# Altium PCB BrewController.PcbDoc
Units mm, origin at the board's own origin, x right, y up, seen from the top; angles counter-clockwise.
Board outline 60 x 99 mm, 2 copper layers (Top Layer, Bottom Layer); 46 components, 36 nets, 189 pads, 33 vias.
Unrouted connection lines stored in the file: 12.
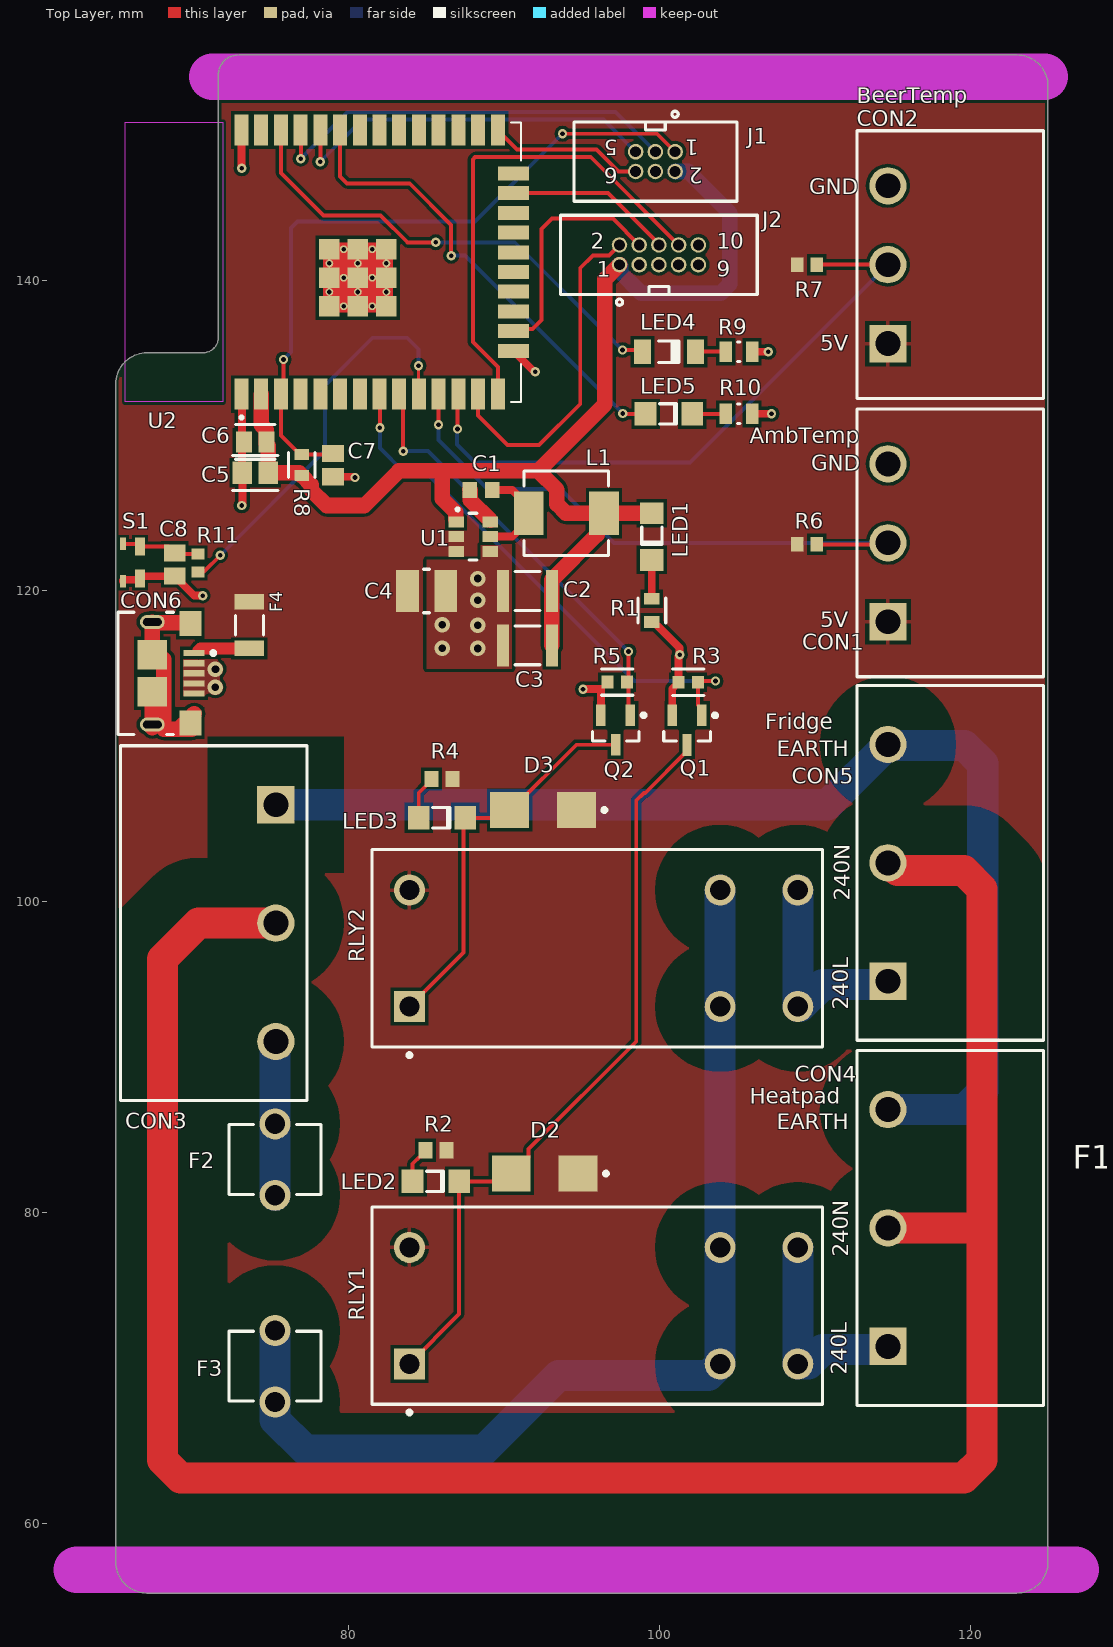
[diagram p0: Top Layer view]
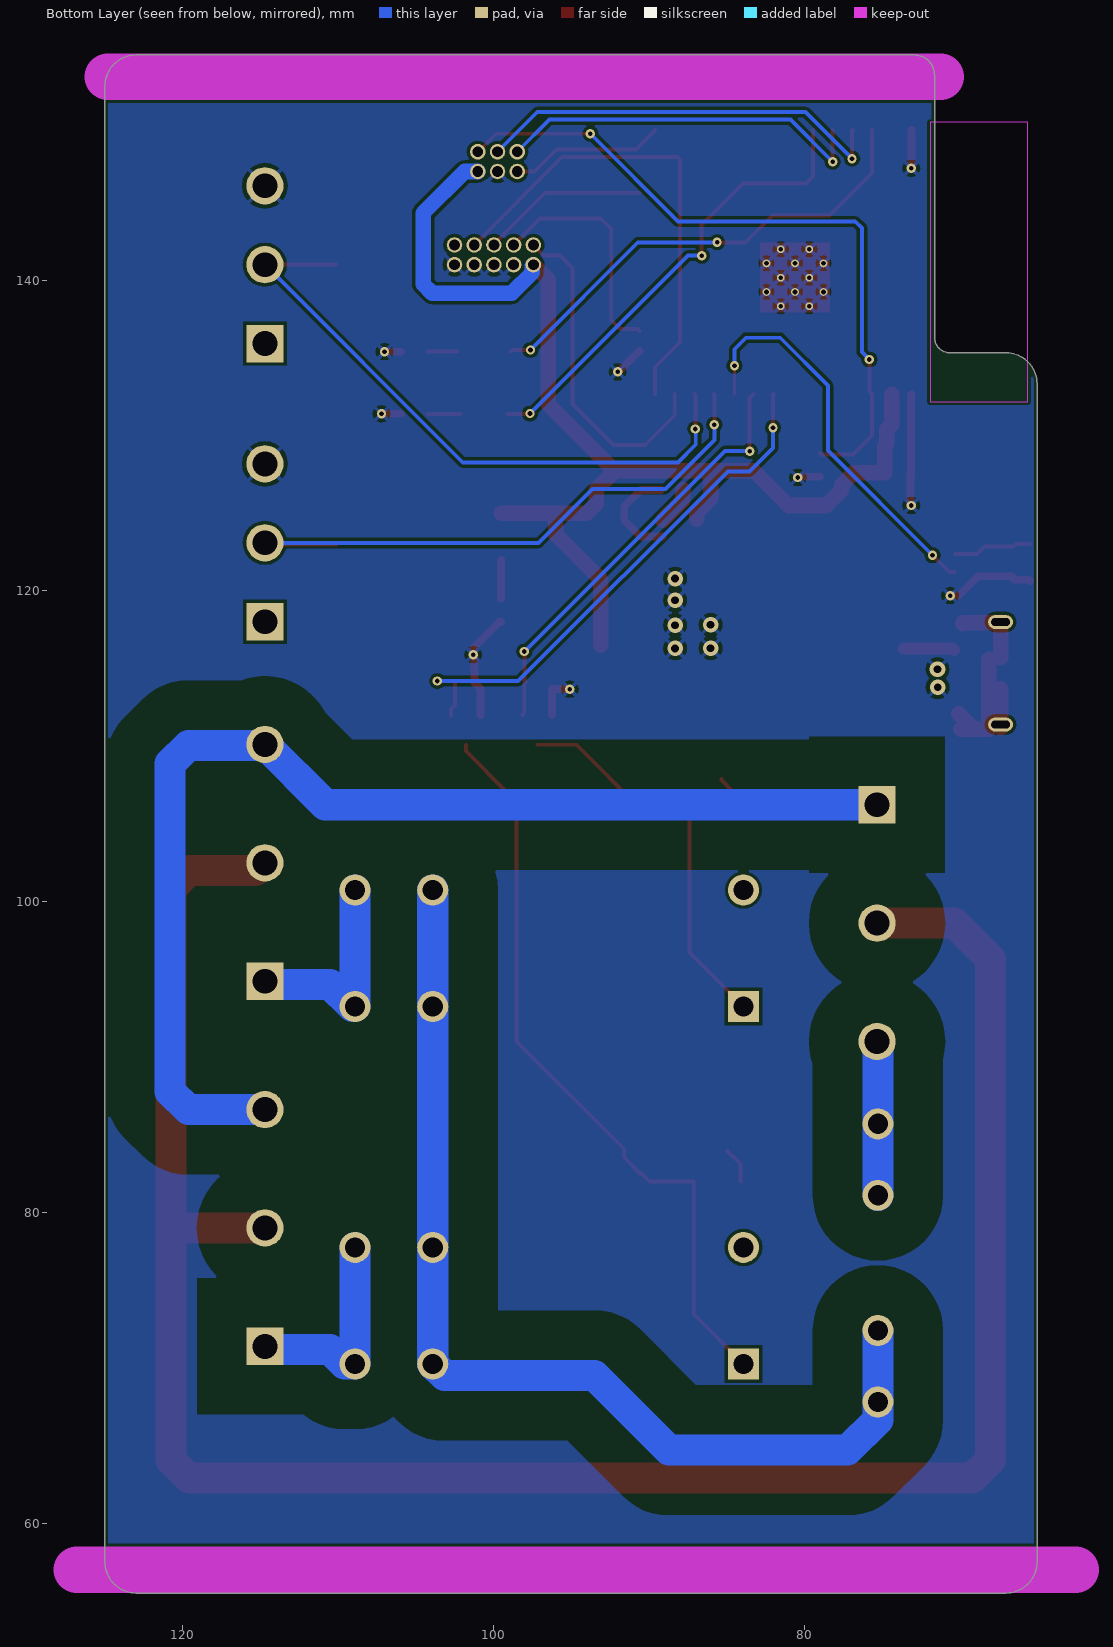
[diagram p1: Bottom Layer view, seen from below]
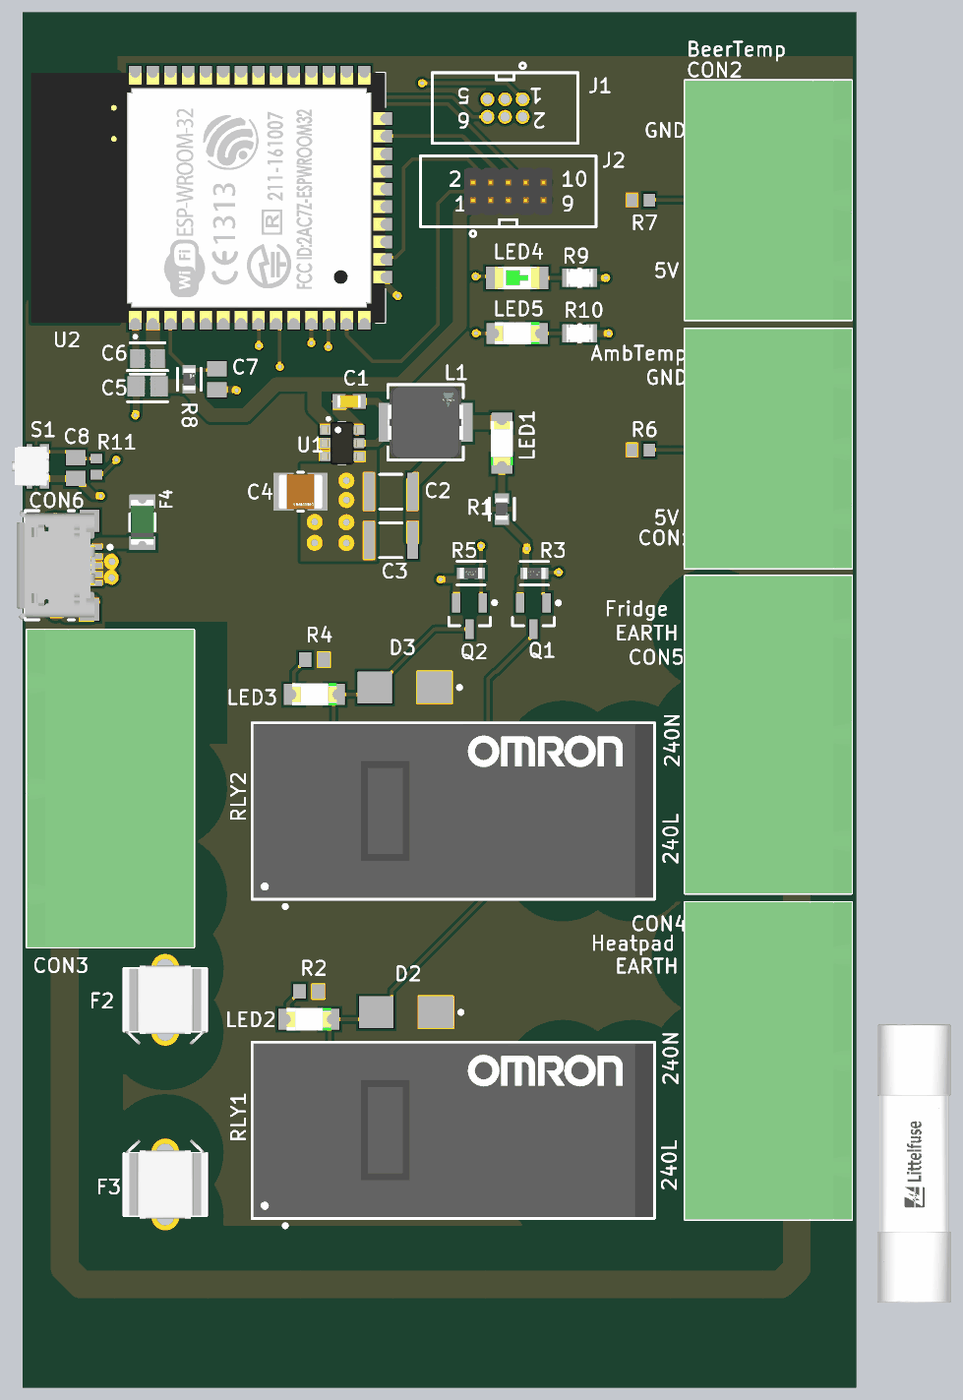
[diagram p2: 3D render of the assembled board from above, using the file's embedded part models]

## Layer stack, top to bottom
Top Solder: solder mask 0.0102, Solder Resist, Dk 3.5
Top Layer: signal copper 0.0356
Dielectric 1: dielectric 0.32, FR-4, Dk 4.8
Bottom Layer: signal copper 0.0356
Bottom Solder: solder mask 0.0102, Solder Resist, Dk 3.5

## Board outline
65,57.5 65,133.327 cw(c67,133.327) 67,135.327 70.6,135.327 ccw(c70.6,136.327) 71.6,136.327 71.6,136.318 71.6,153.2 cw(c72.9,153.2) 72.9,154.5 123,154.5 cw(c123,152.5) 125,152.5 125,57.5 cw(c123,57.5) 123,55.5 67,55.5 cw(c67,57.5)

## Design rules (kind name [scope] priority, off if disabled: settings)
BoardOutlineClearance [All] p1: gap=0.2 ignorepadtopadclearanceinfootprint=FALSE
Clearance 240V-DC_Clearance [InNetClass('240V') vs Not InNetClass('240V')] p1: gap=3.2 ignorepadtopadclearanceinfootprint=FALSE
Clearance 240V-240V_Clearance [InNetClass('240V')] p2: gap=2 ignorepadtopadclearanceinfootprint=FALSE
Clearance [All] p3: gap=0.203 ignorepadtopadclearanceinfootprint=FALSE except(0: Arc-Hole Track-Hole SMDPad-Hole THPad-Hole Via-Hole Fill-Hole Poly-Hole Region-Hole Text-Hole)
ComponentClearance [All] p1: gap=0.127 collisioncheckmode=3 verticalgap=0.127 showdistances=TRUE
DiffPairsRouting [All] p1: maxlimit=0.381 minlimit=0.203 mostfreqgap=0.203 toplayer_minwidth=0.203 toplayer_maxwidth=25.4 toplayer_prefwidth=0.203 bottomlayer_minwidth=0.203 bottomlayer_maxwidth=25.4 bottomlayer_prefwidth=0.203 maxuncoupledlength=12.7
Height [All] p1: minheight=0 maxheight=1816.048 prefheight=12.7
HoleSize [All] p1: absolutevalues=TRUE maxlimit=6.3 minlimit=0.3 maxpercent=80.000 minpercent=20.000
HoleToHoleClearance [All] p1: gap=0.25 allowstackedmicrovias=FALSE
MinimumAnnularRing [All] p1: minimumring=0.076
MinimumSolderMaskSliver [All] p1: minsoldermaskwidth=0
PlaneClearance [All] p1: clearance=0.203
PlaneConnect PlaneConnectPowerPads [InPadClass('PowerPads')] p1: planeconnectstyle=Direct reliefexpansion=0.508 reliefentries=4 reliefconductorwidth=0.254 reliefairgap=0.254
PlaneConnect [All] p2: planeconnectstyle=Relief reliefexpansion=0.508 reliefentries=4 reliefconductorwidth=0.254 reliefairgap=0.254
PolygonConnect USB_5VIN_Poly [All vs IsNamedPolygon('NETCON6_1_L01_P008')] p1: connectstyle=Direct reliefconductorwidth=0.254 reliefentries=4 polygonreliefangle="90 Angle" airgapwidth=0.254
PolygonConnect PolygonConnect_1 [All vs IsNamedPolygon('GND_L01_P001')] p2: connectstyle=Direct reliefconductorwidth=0.254 reliefentries=4 polygonreliefangle="90 Angle" airgapwidth=0.254
PolygonConnect PolygonConnect_2 [All vs IsNamedPolygon('NETCON6_1_L01_P005')] p3: connectstyle=Direct reliefconductorwidth=0.254 reliefentries=4 polygonreliefangle="90 Angle" airgapwidth=0.254
PolygonConnect PolygonConnect_3 [All vs IsNamedPolygon('GND_L01_P006')] p4: connectstyle=Direct reliefconductorwidth=0.254 reliefentries=4 polygonreliefangle="90 Angle" airgapwidth=0.254
PolygonConnect PolygonConnect_4 [All vs IsNamedPolygon('Top Layer-No Net')] p5: thpad.connectstyle=Relief thpad.reliefconductorwidth=0.254 thpad.reliefentries=4 thpad.polygonreliefangle="90 Angle" thpad.airgapwidth=0.254 smdpad.connectstyle=Direct smdpad.reliefconductorwidth=0.254 smdpad.reliefentries=4 smdpad.polygonreliefangle="90 Angle" smdpad.airgapwidth=0.254 via.connectstyle=Relief via.reliefconductorwidth=0.254 via.reliefentries=4 via.polygonreliefangle="90 Angle" via.airgapwidth=0.254
PolygonConnect ConnectRule [All vs IsNamedPolygon('Top Layer_5V')] p6: connectstyle=Relief reliefconductorwidth=0.254 reliefentries=4 polygonreliefangle="90 Angle" airgapwidth=0.254
PolygonConnect PolygonConnectPowerPads [All vs (InPadClass('PowerPads'))] p7: connectstyle=Direct reliefconductorwidth=0.254 reliefentries=4 polygonreliefangle="90 Angle" airgapwidth=0.254
PolygonConnect [All] p8: connectstyle=Relief reliefconductorwidth=0.254 reliefentries=4 polygonreliefangle="45 Angle" airgapwidth=0.254
RoutingVias [All] p1: holewidth=0.3 width=0.6 viastyle="Through Hole" minholewidth=0.3 minwidth=0.6 maxholewidth=0.6 maxwidth=6.6
SilkToSilkClearance [All] p1: silktosilkclearance=0
SilkToSolderMaskClearance [IsPad] p1: minsilkscreentomaskgap=0.127 clearancetoexposedcopper=TRUE
SolderMaskExpansion [All] p1: expansion=0.075 istentingtop=FALSE
Width [All] p1: maxlimit=25.4 minlimit=0.203 preferedwidth=0.203 minimp=50.000000 maximp=50.000000 favimp=50.000000
20 further rules are at their usual default settings.

## Classes and differential pairs
net class 240V: 240V_E 240V_L 240V_N NetCON3_3 NetCON4_1 NetCON5_1
net class C4_Nets: +5V GND
net class C5_Nets: +3V3 GND
net class C7_Nets: EN GND
net class C6_Nets: +3V3 GND
net class CON3_Nets: 240V_E 240V_N NetCON3_3
net class CON2_Nets: +5V GND NetCON2_2
net class CON4_Nets: 240V_E 240V_N NetCON4_1
net class CON5_Nets: 240V_E 240V_N NetCON5_1
net class D2_Nets: +5V NetD2_2
net class D3_Nets: +5V NetD3_2
net class J2_Nets: +3V3 GND NetJ1_10 TCK TDI TDO TMS
net class J1_Nets: +3V3 EN GND IO0 RXD0 TXD0
net class RLY1_Nets: 240V_L +5V NetCON4_1 NetD2_2
net class RLY2_Nets: 240V_L +5V NetCON5_1 NetD3_2
net class L1_Nets: +3V3 NetC1_1
net class LED1_Nets: +3V3 NetLED1_1
net class Q1_Nets: GND NetD2_2 NetQ1_1
net class Q2_Nets: GND NetD3_2 NetQ2_1
net class R1_Nets: GND NetLED1_1
net class R3_Nets: GND NetQ1_1
net class R5_Nets: GND NetQ2_1
net class R9_Nets: GND NetLED4_1
net class R10_Nets: GND NetLED5_1
net class R8_Nets: +3V3 EN
net class S1_Nets: GND NetC8_2
net class U1_Nets: +3V3 +5V GND NetC1_1 NetC1_2
net class U2_Nets: +3V3 EN FACTORY_RST GND IO0 LED_RED LED_YELLOW NetCON1_2 NetCON2_2 NetQ1_1 NetQ2_1 NetU3_4 NetU3_6 NetU3_7 NetU3_8 NetU3_9 NetU3_10 NetU3_11 NetU3_12 NetU3_17 NetU3_18 NetU3_19 NetU3_20 NetU3_21 NetU3_22 NetU3_27 NetU3_28 NetU3_30 NetU3_31 NetU3_37 RXD0 TCK TDI TDO TMS TXD0
net class C3_Nets: +3V3 GND
net class CON1_Nets: +5V GND NetCON1_2
net class F2_Nets: NetCON3_3
net class F3_Nets: 240V_L
net class LED2_Nets: NetD2_2 NetLED2_2
net class LED3_Nets: NetD3_2 NetLED3_2
net class LED4_Nets: LED_YELLOW NetLED4_1
net class LED5_Nets: LED_RED NetLED5_1
net class R6_Nets: +5V NetCON1_2
net class C1_Nets: NetC1_1 NetC1_2
net class C2_Nets: +3V3 GND
net class CON6_Nets: GND NetCON6_1 USB_SHLD
net class R2_Nets: +5V NetLED2_2
net class R4_Nets: +5V NetLED3_2
net class R7_Nets: +5V NetCON2_2
net class C8_Nets: GND NetC8_2
net class F4_Nets: +5V NetCON6_1
net class R11_Nets: FACTORY_RST NetC8_2
component class Designator: ENC1 PLG1 PLG2 SEN1 SEN2

## Components (designator, comment, footprint, x,y, rotation, side; value= is the part's Value field where it differs from the comment)
C1 "GRM188R71H104KA93D" CAPC1608X90X35ML10T15 88.5,126.5 r180 top
C2 "C3225X7R1C226M250AC" CAPC3225X280X20LL40 91.5,120 r0 top
C3 "C3225X7R1C226M250AC" CAPC3225X280X20LL40 91.5,116.5 r0 top
C4 "CL32B106KAJNNNE" FP-CL32-IPC_C 85,120 r0 top
C5 "CL21B104MBCNNNC" FP-CL21-IPC_B 73.975,127.6 r0 top
C6 "CL21A226MOCLRNC" FP-CL21-IPC_C 73.975,129.6 r0 top
C7 "Cap 0.1uF/50V 0805 X7R (CL21B104MBCNNNC)" C0805 78.975,128.1 r270 top
C8 "Cap 0.1uF/50V 0805 X7R (CL21B104MBCNNNC)" C0805 68.8,121.7 r90 top
CON1 "AmbTemp" 691313510003 118.7,123.1 r90 top
CON2 "BeerTemp" 691313510003 118.7,141 r90 top
CON3 "691313410003" 691313410003 71.3,98.62 r270 top
CON4 "Heatpad" 691313410003 118.7,79 r90 top
CON5 "Fridge" 691313410003 118.7,102.5 r90 top
CON6 "10118193-0001LF" FCI-10118193-0001LF-5_V 68.7,114.7 r270 top
D2 "S1AB-13-F" DIOD-S1AB-13-F-2_V 92.6,82.5 r180 top
D3 "S1AB-13-F" DIOD-S1AB-13-F-2_V 92.5,105.9 r180 top
F1 "0218002.MXP" FP-0218002_MXP-MFG 129.2,71.6 r90 top value=0.0293Ω
F2 "01000020Z" FP-0100-MFG 75.25,83.4 r90 top
F3 "01000020Z" FP-0100-MFG 75.25,70.1 r270 top
F4 "0ZCJ0050FF2G" FP-0ZCJ0050FF2G-MFG 73.6,117.8 r90 top
J1 "6Pos 1.27mm Unkeyed (20021111-00006T4LF)" 6Pos_1.27_Keyed 99.73,147.635 r180 top
J2 "10Pos 1.27mm Keyed (3220-10-0100-00)" 10pos_1.27_Keyed 99.96,141.635 r0 top
L1 "IHLP2020BZER4R7M11" FP-IHLP-2020BZ-FP_1_905x2-MFG 94,125 r0 top
LED1 "150120VS75000" 1206_A 99.5,123.5 r90 top
LED2 "150120VS75000" 1206_A 85.6,82 r180 top
LED3 "150120VS75000" 1206_A 86,105.4 r180 top
LED4 "156120YS75300" "1206  CYLINDRICAL- Reverse Use" 100.6,135.4 r180 top
LED5 "150120SS75000" 1206_A 100.6,131.4 r180 top
Q1 "BSS138P,215" NXP-SOT23_N 101.771,111.043 r270 top
Q2 "BSS138P,215" NXP-SOT23_N 97.172,111.052 r270 top
R1 "CRCW0603220RFKEB" FP-CRCW0603-e3-MFG 99.5,118.75 r270 top
R2 "CRCW0603680RFKEA" RESC1609X50X30ML10T20 85.6,84 r0 top
R3 "CRGCQ0603J1M0" FP-CRGCQ0603-IPC_C 101.842,114.127 r180 top value=1MΩ
R4 "CRCW0603680RFKEA" RESC1609X50X30ML10T20 86,107.9 r0 top
R5 "CRGCQ0603J1M0" FP-CRGCQ0603-IPC_C 97.272,114.137 r180 top value=1MΩ
R6 "CRCW06034K70FKTA" RESC1609X50X30NL10T20 109.5,123 r0 top
R7 "CRCW06034K70FKTA" RESC1609X50X30NL10T20 109.5,141 r0 top
R8 "MCT06030E1002BP500" FP-MCT0603-MFG 76.975,128.1 r90 top
R9 "CRCW0805120RFKEA" FP-CRCW0805-e3-IPC_C 105.1,135.4 r180 top
R10 "CRCW0805120RFKEA" FP-CRCW0805-e3-IPC_C 105.1,131.4 r180 top
R11 "CRCW060310K0JNEB" RESC1609X50X30LL10T20 70.3,121.8 r90 top
RLY1 "G2RL-1A-E DC5" FP-G2RL-1A-E_DC12-MFG 96,74 r0 top
RLY2 "G2RL-1A-E DC5" FP-G2RL-1A-E_DC12-MFG 96,97 r0 top
S1 "Right Angle SMT Edge Switch" "TL4110 Edge Connector" 64.805,121.83 r270 top
U1 "3.3V SW Reg (AP63203WU-7)" TSOT26 88,123.5 r0 top
U2 "ESP32-WROOM-32D" *MODULE_ESP32-WROOM-32D_ESP32-WROOM-32D(Primary) 81.838,141.165 r90 top

## Footprints (in the part's own frame and the unit in brackets; to place one, negate y for a bottom-side part, rotate by r counter-clockwise, add the part's x,y. Pads: shape width x height; smd on the part's side, far side on the other; paste and mask are expansions set on the pad)
6Pos_1.27_Keyed [mm]
  round 1 hole 0.7: 1(-1.27,-0.635) 2(-1.27,0.635) 3(0,-0.635) 4(0,0.635) 6(1.27,0.635)
  round 1 hole 0.7 mask+0.102: 5(1.27,-0.635)
  silkscreen extent -5.25,-3.25 5.25,2.55
10pos_1.27_Keyed [mm]
  round 1 hole 0.7: 1(-2.54,-0.635) 2(-2.54,0.635) 3(-1.27,-0.635) 4(-1.27,0.635) 6(0,0.635) 7(1.27,-0.635) 8(1.27,0.635) 9(2.54,-0.635) 10(2.54,0.635)
  round 1 hole 0.7 mask+0.102: 5(0,-0.635)
  silkscreen extent -6.33,-3.25 6.33,2.55, body extent -3.17,-1.7 3.18,1.7, height 5.33
"1206  CYLINDRICAL- Reverse Use" [mm] "Chip LED, 2-Leads, Body 3.2x1.6mm, IPC Medium Density"
  rect 1.1x1.6 smd: 1(-1.7,0) 2(1.7,0)
  silkscreen extent -0.65,-0.7 0.65,0.7, body extent -1.6,-0.8 1.6,0.8, height 0.38
1206_A [mm] "Chip LED, 2-Leads, Body 3.2x1.6mm, IPC Medium Density"
  rect 1.4x1.5 smd: 1(-1.5,0) 2(1.5,0)
  silkscreen extent -0.5,-0.67 0.6,0.65, body extent -1.6,-0.8 1.6,0.8, height 0.68
691313410003 [mm] "7.62 mm - Closed Horizonal PCB Header - 3p"
  rect 2.4x2.4 hole 1.6: 1(-7.62,4)
  round 2.4 hole 1.6: 2(0,4) 3(7.62,4)
  silkscreen extent -11.42,-6 11.42,6, body extent -11.43,-6 11.43,6, height 8.55
691313510003 [mm] "5,08mm - PCB Headers - Horizontal - Closed ends - 03p"
  rect 2.4x2.4 hole 1.6: 1(-5.08,4)
  round 2.4 hole 1.6: 2(0,4) 3(5.08,4)
  silkscreen extent -8.62,-6 8.62,6, body extent -8.62,-6 8.62,6, height 8.55
*MODULE_ESP32-WROOM-32D_ESP32-WROOM-32D(Primary) [mm]
  rect 2x0.9 smd: 1(-8.5,8.755) 2(-8.5,7.485) 3(-8.5,6.215) 4(-8.5,4.945) 5(-8.5,3.675) 6(-8.5,2.405) 7(-8.5,1.135) 8(-8.5,-0.135) 9(-8.5,-1.405) 10(-8.5,-2.675) 11(-8.5,-3.945) 12(-8.5,-5.215) 13(-8.5,-6.485) 14(-8.5,-7.755) 25(8.5,-7.755) 26(8.5,-6.485) 27(8.5,-5.215) 28(8.5,-3.945) 29(8.5,-2.675) 30(8.5,-1.405) 31(8.5,-0.135) 32(8.5,1.135) 33(8.5,2.405) 34(8.5,3.675) 35(8.5,4.945) 36(8.5,6.215) 37(8.5,7.485) 38(8.5,8.755)
  rect 0.9x2 smd: 15(-5.715,-8.755) 16(-4.445,-8.755) 17(-3.175,-8.755) 18(-1.905,-8.755) 19(-0.635,-8.755) 20(0.635,-8.755) 21(1.905,-8.755) 22(3.175,-8.755) 23(4.445,-8.755) 24(5.715,-8.755)
  rect 1.33x1.33 smd: 39_1(-2.835,3.09) 39_2(-1,3.09) 39_3(0.835,3.09) 39_4(-2.835,1.255) 39_5(-1,1.255) 39_6(0.835,1.255) 39_7(-2.835,-0.58) 39_8(-1,-0.58) 39_9(0.835,-0.58)
  round 0.5 hole 0.3: 39_10(-1.917,3.09) 39_11(-0.082,3.09) 39_12(-2.835,2.173) 39_13(-1,2.173) 39_14(0.835,2.173) 39_15(-1.917,1.255) 39_16(-0.082,1.255) 39_17(-2.835,0.338) 39_18(-1,0.338) 39_19(0.835,0.338) 39_20(-1.917,-0.58) 39_21(-0.082,-0.58)
  Top Layer region: -3.25,-1 1.25,-1 1.25,3.5 -3.25,3.5
  Keep-Out Layer region: -9,16.245 9,16.245 9,9.945 -9,9.945
  Keep-Out Layer region: -9,16.245 9,16.245 9,9.945 -9,9.945
  Keep-Out Layer region: -9,16.245 9,16.245 9,9.945 -9,9.945
  Keep-Out Layer region: -9,16.245 9,16.245 9,9.945 -9,9.945
  Keep-Out Layer region: -9,16.245 9,16.245 9,9.945 -9,9.945
  Keep-Out Layer region: -9,16.245 9,16.245 9,9.945 -9,9.945
  silkscreen extent -10.1,-9.25 9,8.84, body extent -9,-9.25 9,16.25, height 2.92
C0805 [mm] "Chip Capacitor, Body 2.0x1.3mm, IPC High Density"
  rect 1.1x1.4 smd: 1(-0.75,0) 2(0.75,0)
  body extent -1.1,-0.72 1.1,0.72, height 1.4
CAPC1608X90X35ML10T15 [mm] "Chip Capacitor, 2-Leads, Body 1.7x0.9mm, IPC Low Density"
  rect 0.95x1.05 smd: 1(-0.725,0) 2(0.725,0)
  body extent -0.85,-0.45 0.85,0.45, height 0.9
CAPC3225X280X20LL40 [mm] "Chip Capacitor, 2-Leads, Body 3.60x2.80mm, IPC High Density"
  rect 0.75x2.7 smd: 1(-1.575,0) 2(1.575,0)
  silkscreen extent -0.8,-1.25 0.8,1.25, body extent -1.8,-1.4 1.8,1.4, height 2.8
DIOD-S1AB-13-F-2_V [mm] "SMD, 2-Leads, Body 3.62x4.315mm"
  rect 2.5x2.3 smd: 1(-2.15,0) 2(2.15,0)
  silkscreen extent -4.08,-0.12 -3.83,0.12, body extent -2.16,-1.81 2.16,1.81, height 2.5
FCI-10118193-0001LF-5_V [mm] "Micro, USB-B, 5-Leads, Body 7.86x5.05mm, Pitch 0.65 mm"
  rect 0.4x1.35 smd: 1(-1.3,1.325) 2(-0.65,1.325) 3(0,1.325) 4(0.65,1.325) 5(1.3,1.325)
  rect 1.6x1.4 smd: 6(-3.2,1.1) 7(3.2,1.1)
  rect 1.9x1.9 smd: 8(-1.2,-1.35) 9(1.2,-1.35)
  oval 0.9x1.6 hole 0.5 slot 1.2 at 90 deg: 10(-3.3,-1.35) 11(3.3,-1.35)
  silkscreen extent -3.93,-3.55 3.93,2.7, body extent -3.93,-4.16 3.93,1.5, height 2.83
FP-0ZCJ0050FF2G-MFG [mm]
  rect 1x1.9 smd paste+0 mask+0: 1(-1.5,0) 2(1.5,0)
  silkscreen extent -0.63,-0.9 0.63,0.9, body extent -2.1,-1.05 2.1,1.05, height 0.25
FP-0100-MFG [mm]
  round 2 hole 1.3 paste-1000 mask+0: 1(-2.3,0) 1(2.3,0)
  silkscreen extent -2.25,-2.97 2.25,2.97, body extent -3.4,-3.07 3.4,3.07, height 0.25
FP-0218002_MXP-MFG [mm]
  body extent -10.35,-2.75 10.35,2.75, height 0.25
FP-CL21-IPC_B [mm]
  rect 1.255x1.456 smd paste+0 mask+0: 1(-0.826,0) 2(0.826,0)
  silkscreen extent -1.45,-1.13 1.45,1.13, body extent -1.7,-0.98 1.7,0.98, height 0.25
FP-CL21-IPC_C [mm]
  rect 1.055x1.356 smd paste+0 mask+0: 1(-0.726,0) 2(0.726,0)
  silkscreen extent -1.25,-1.12 1.25,1.12, body extent -1.35,-0.82 1.35,0.82, height 0.25
FP-CL32-IPC_C [mm]
  rect 1.453x2.704 smd paste+0 mask+0: 1(-1.225,0) 2(1.225,0)
  silkscreen extent -0.2,-1.4 0.2,1.4, body extent -2.05,-1.5 2.05,1.5, height 0.25
FP-CRCW0603-e3-MFG [mm]
  rect 0.75x1 smd paste+0 mask+0: 1(-0.75,0) 2(0.75,0)
  silkscreen extent -0.8,-0.9 0.8,0.9, body extent -1.22,-0.6 1.22,0.6, height 0.25
FP-CRCW0805-e3-IPC_C [mil]
  rect 31.75x51.5 smd paste+0 mask+0: 1(-33.5,0) 2(33.5,0)
  silkscreen extent -3,-25 3,25, body extent -53,-31 53,31, height 10
FP-CRGCQ0603-IPC_C [mm]
  rect 0.758x0.812 smd paste+0 mask+0: 1(-0.627,0) 2(0.627,0)
  silkscreen extent -1.01,-0.85 1.01,0.85, body extent -1.11,-0.55 1.11,0.55, height 0.25
FP-G2RL-1A-E_DC12-MFG [mm]
  rect 2x2 hole 1.3 paste-1000 mask+0: 1(-12.1,-3.75)
  round 2 hole 1.3 paste-1000 mask+0: 3(7.9,-3.75) 4(12.9,-3.75) 5(12.9,3.75) 6(7.9,3.75) 8(-12.1,3.75)
  silkscreen extent -14.5,-7 14.5,6.35, body extent -14.6,-6.45 14.6,6.45, height 0.25
FP-IHLP-2020BZ-FP_1_905x2-MFG [mm]
  rect 1.905x2.79 smd paste+0 mask+0: 1(-2.426,0) 2(2.425,0)
  silkscreen extent -2.72,-2.72 2.72,2.72, body extent -3.48,-2.82 3.48,2.82, height 0.25
FP-MCT0603-MFG [mm]
  rect 0.7x0.95 smd paste+0 mask+0: 1(-0.675,0) 2(0.675,0)
  silkscreen extent -0.8,-0.85 0.8,0.85, body extent -1.12,-0.58 1.12,0.58, height 0.25
NXP-SOT23_N [mm] "SOT23, 3-Leads, Body 3x1.4mm, Pitch 0.95mm, IPC Medium Density"
  rect 1.4x0.6 smd: 1(-0.95,0.95) 2(-0.95,-0.95) 3(0.95,0)
  silkscreen extent -1.07,-1.5 0.7,1.93, body extent -0.7,-1.5 0.7,1.5, height 1.1
RESC1609X50X30LL10T20 [mm] "Chip Resistor, 2-Leads, Body 1.55x0.85mm, IPC High Density"
  rect 0.7x0.85 smd: 1(-0.575,0) 2(0.575,0)
  body extent -0.82,-0.48 0.82,0.48, height 0.5
RESC1609X50X30ML10T20 [mm] "Chip Resistor, 2-Leads, Body 1.55x0.85mm, IPC Low Density"
  rect 0.9x1.05 smd: 1(-0.675,0) 2(0.675,0)
  body extent -0.82,-0.48 0.82,0.48, height 0.5
RESC1609X50X30NL10T20 [mm] "Chip Resistor, 2-Leads, Body 1.55x0.85mm, IPC Medium Density"
  rect 0.8x0.95 smd: 1(-0.625,0) 2(0.625,0)
  body extent -0.82,-0.48 0.82,0.48, height 0.5
"TL4110 Edge Connector" [mm]
  rect 0.8x0.4 smd: 1(-1.2,0.65) 2(1.2,0.65)
  rect 1.14x0.65 smd: 1(-1.03,1.745) 2(1.03,1.745)
  body extent -1.4,-0.59 1.4,2.06, height 1.02
TSOT26 [mm]
  rect 1x0.7 smd mask+0.099: 1(-1.1,0.95) 2(-1.1,0) 3(-1.1,-0.95) 4(1.1,-0.95) 5(1.1,0) 6(1.1,0.95)
  silkscreen extent -1.1,-1.5 0.25,1.85, body extent -1.5,-1.55 1.5,1.55, height 1.4

## Part data
C1: library part CMP-2100-03643-1, "Chip Capacitor, 0.1 uF, +/- 10%, 50 V, -55 to 125 degC, 0603 (1608 Metric), RoHS, Tape and Reel", Capacitance=100nF, Case Code (Imperial)=0603, Case Code (Metric)=1608, Dielectric=X7R, Dielectric Material=Ceramic, Insulation Resistance=10GR, Manufacturer=Murata, Max Operating Temperature=125degC, Min Operating Temperature=-55degC, Package Description="2-Pin Surface Mount Device, Body 1.6 x 0.8 mm", Package Quantity=1, Supplier Part Number 1=8820023, Tolerance=10%, Voltage=50V, Case/Package=0603, Category="Ceramic Capacitors", ComponentLink1Description=https://datasheet.ciiva.com/11786/0900766b807a1cab-11786047.pdf?src-supplier=RSComponents, ComponentLink1URL=https://datasheet.ciiva.com/11786/0900766b807a1cab-11786047.pdf?src-supplier=RSComponents, ComponentLink2Description=https://datasheet.ciiva.com/19467/1857604-19467681.pdf?src-supplier=Jameco, ComponentLink2URL=https://datasheet.ciiva.com/19467/1857604-19467681.pdf?src-supplier=Jameco, ComponentLink3Description=https://datasheet.ciiva.com/29201/451744-da-01-en-vs-kondensator-0603-29201904.pdf?src-supplier=Conrad, ComponentLink3URL=https://datasheet.ciiva.com/29201/451744-da-01-en-vs-kondensator-0603-29201904.pdf?src-supplier=Conrad, ComponentLink4Description=https://datasheet.ciiva.com/28534/4360-28534245.pdf?src-supplier=Element14, ComponentLink4URL=https://datasheet.ciiva.com/28534/4360-28534245.pdf?src-supplier=Element14, ComponentLink5Description=https://datasheet.ciiva.com/131/partnumbering-e-01-131738.pdf?src-supplier=Digi-Key, ComponentLink5URL=https://datasheet.ciiva.com/131/partnumbering-e-01-131738.pdf?src-supplier=Digi-Key, ComponentLink6Description=https://datasheet.ciiva.com/131/partnumbering-e-01-131739.pdf?src-supplier=Digi-Key, ComponentLink6URL=https://datasheet.ciiva.com/131/partnumbering-e-01-131739.pdf?src-supplier=Digi-Key, ComponentLink7Description=https://datasheet.ciiva.com/7937/4360-7937659.pdf?src-supplier=Element14, ComponentLink7URL=https://datasheet.ciiva.com/7937/4360-7937659.pdf?src-supplier=Element14, ComponentLink8Description=https://datasheet.ciiva.com/7937/1747470-7937658.pdf?src-supplier=Element14, ComponentLink8URL=https://datasheet.ciiva.com/7937/1747470-7937658.pdf?src-supplier=Element14, ComponentLink9Description=https://datasheet.ciiva.com/48436/nmgrm-data-en-48436667.pdf?src-supplier=Distrelec, ComponentLink9URL=https://datasheet.ciiva.com/48436/nmgrm-data-en-48436667.pdf?src-supplier=Distrelec, ComponentLink10Description=https://datasheet.ciiva.com/131/partnumbering-e-01-131740.pdf?src-supplier=Digi-Key, ComponentLink10URL=https://datasheet.ciiva.com/131/partnumbering-e-01-131740.pdf?src-supplier=Digi-Key, ComponentLink11Description=https://datasheet.ciiva.com/14116/nmgrm-data-en-14116602.pdf?src-supplier=Distrelec, ComponentLink11URL=https://datasheet.ciiva.com/14116/nmgrm-data-en-14116602.pdf?src-supplier=Distrelec, Contact Plating=Tin, Datasheet URL=http://psearch.en.murata.com/capacitor/product/GRM188R71H104KA93%23.pdf, Datasheet Version=42675.0, Depth=0.8mm, Height=0.8mm, Lead Free=LeadFree, Length=1.6mm, Manufacturer Part Number=GRM188R71H104KA93D, Manufacturer URL=http://www.murata.com/, Material=Ceramic, Mount=SurfaceMount, Number of Pins=2, Package Reference=0603, Packaging=TapeandReel, Radiation Hardening=No, REACH SVHC=NoSVHC, RoHS=Yes, RoHSCompliant=true, Supplier 1=Farnell, Termination=SMD/SMT, Thickness=0.035inch, Voltage Rating=50V, Voltage Rating (DC)=50V, Width=0.8mm
C2 C3: library part CMP-2000-06052-1, "Multilayer Ceramic Capacitor, 22 uF, 16 V, -55 to 125 degC, 2-Pin SMD, RoHS, Tape and Reel", Capacitance=22µF, Case Code (Imperial)=1210, Case Code (Metric)=3225, Dielectric=X7R, Dielectric Material=Ceramic, Manufacturer=TDK, Max Operating Temperature=125°C, Min Operating Temperature=-55°C, Operating Temperature=-55°C~125°C, Package / Case=1210(3225Metric), Package Description="2-Pin Surface Mount Device, Body 3.2 x 2.5 mm", Package Quantity=1, PCN Part Number=MLCCPartNumberChange30/Nov/2012, Ratings=-, Supplier Part Number 1=445-3955-1-ND, Tolerance=±20%, Voltage - Rated=16V, Applications=GeneralPurpose, Case/Package=1210, Catalog Drawings=CSERIES_1210_2.8, Category=Capacitors, ComponentLink1Description=https://datasheet.ciiva.com/24216/c3225x7r1c226m250ac-265468-24216381.pdf?src-supplier=Mouser, ComponentLink1URL=https://datasheet.ciiva.com/24216/c3225x7r1c226m250ac-265468-24216381.pdf?src-supplier=Mouser, ComponentLink2Description=https://datasheet.ciiva.com/6252/tdkmlcccaprange-6252933.pdf?src-supplier=Digi-Key, ComponentLink2URL=https://datasheet.ciiva.com/6252/tdkmlcccaprange-6252933.pdf?src-supplier=Digi-Key, ComponentLink3Description=https://datasheet.ciiva.com/7975/639999-7975159.pdf?src-supplier=Element14, ComponentLink3URL=https://datasheet.ciiva.com/7975/639999-7975159.pdf?src-supplier=Element14, ComponentLink4Description=https://datasheet.ciiva.com/6145/1571323-6145128.pdf?src-supplier=Farnell, ComponentLink4URL=https://datasheet.ciiva.com/6145/1571323-6145128.pdf?src-supplier=Farnell, ComponentLink5Description=https://datasheet.ciiva.com/28620/1571323-28620648.pdf?src-supplier=Element14, ComponentLink5URL=https://datasheet.ciiva.com/28620/1571323-28620648.pdf?src-supplier=Element14, ComponentLink6Description=https://datasheet.ciiva.com/6252/tdkmlcccaprange-6252937.pdf?src-supplier=Digi-Key, ComponentLink6URL=https://datasheet.ciiva.com/6252/tdkmlcccaprange-6252937.pdf?src-supplier=Digi-Key, ComponentLink7Description=https://datasheet.ciiva.com/17487/e412-c-17487337.pdf?src-supplier=Avnet+Europe, ComponentLink7URL=https://datasheet.ciiva.com/17487/e412-c-17487337.pdf?src-supplier=Avnet+Europe, ComponentLink8Description=https://datasheet.ciiva.com/15192/getdatasheetpartid-715071-15192314.pdf?src-supplier=Verical, ComponentLink8URL=https://datasheet.ciiva.com/15192/getdatasheetpartid-715071-15192314.pdf?src-supplier=Verical, ComponentLink9Description=https://datasheet.ciiva.com/6252/tdkmlcccaprange-6252940.pdf?src-supplier=Digi-Key, ComponentLink9URL=https://datasheet.ciiva.com/6252/tdkmlcccaprange-6252940.pdf?src-supplier=Digi-Key, ComponentLink10Description=https://datasheet.ciiva.com/7878/1571323-7878125.pdf?src-supplier=Element14, ComponentLink10URL=https://datasheet.ciiva.com/7878/1571323-7878125.pdf?src-supplier=Element14, ComponentLink11Description=https://datasheet.ciiva.com/16199/e412-c-16199357.pdf?src-supplier=Future+Electronics, ComponentLink11URL=https://datasheet.ciiva.com/16199/e412-c-16199357.pdf?src-supplier=Future+Electronics, Datasheet URL=https://datasheet.ciiva.com/24216/c3225x7r1c226m250ac-265468-24216381.pdf, Datasheet Version=09/2013, Depth=2.5mm, Family=CeramicCapacitors, Features=-, Height=2.5mm, Height - Seated (Max)=-, Lead Free="Lead Free", Lead Spacing=-, Lead Style=-, Length=3.2mm, Manufacturer Part Number=C3225X7R1C226M250AC, Manufacturer URL=http://www.tdk.com/, Mount="Surface Mount", Mounting Technology=SurfaceMount, Mounting Type=SurfaceMount,MLCC, Number of Pins=2, Online Catalog=CSeries,GeneralPurpose, Other Names=445-3955-6, Package Reference=1210, Packaging=Digi-Reel®, Product Training Modules=HighCapacitanceReplacementCSeriesGeneralApplicationsSEAT,CCV,andTVCLDesignToolsGuidetoReplacinganElectrolyticCapacitorwithanMLCC, Radiation Hardening=No, REACH SVHC="No SVHC", Resistor Type=Ceramic, RoHS=Yes, RoHS Information=RoHSCertificate-MLCC, Series=C, Size / Dimension="0.126\"Lx0.098\"W(3.20mmx2.50mm)", Standard Package=1, Stock 1=684134, Supplier 1=Digi-Key, Temperature Coefficient=X7R, Termination=SMD/SMT, Thickness=0.11inch, Thickness (Max)="0.110\"(2.80mm)", Voltage Rating=16V, Voltage Rating (DC)=16V, Weight=0.000564oz, Width=0.098inch